# Altium PCB DataDriven_PCB.PcbDoc (part 2 of 3)
Units mil, origin at the board's own origin, x right, y up, seen from the top; angles counter-clockwise.
Board outline 5198.03 x 4870.08 mil, 4 copper layers (Top, GND, PWR, Bottom), stack 59.694 mil thick; 132 components, 92 nets, 564 pads, 527 vias.
Unrouted connection lines stored in the file: 5.
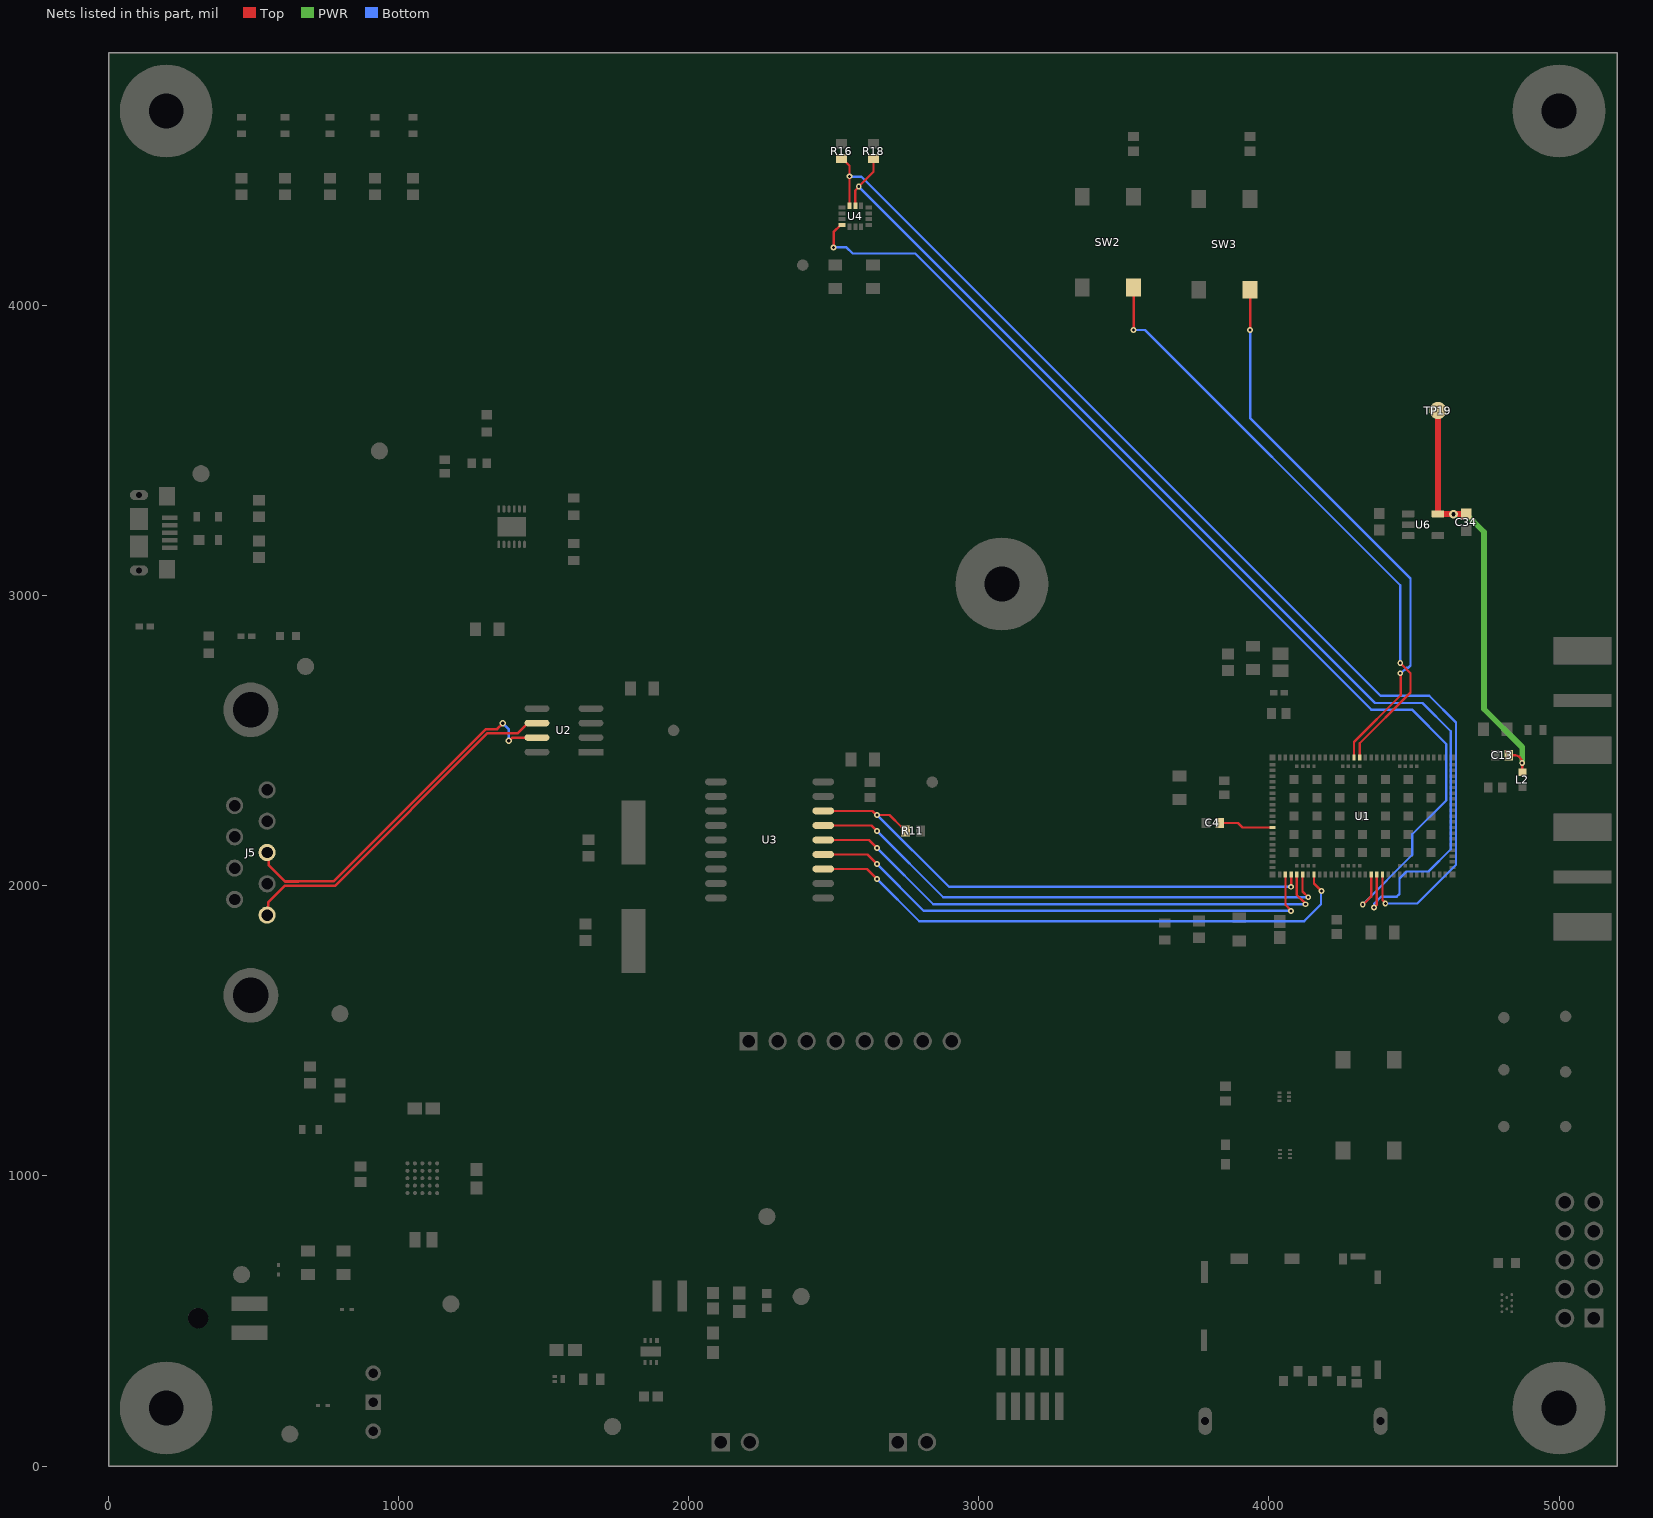
[diagram p4: the nets of this part, all layers, seen from the top]

## Part data (continued)
C38: library part CMP-2006-03061-2, "CAP CER 0.1UF 50V X7R 0603", Capacitance="0.10 μF", Manufacturer=KEMET, Manufacturer Part Number=C0603C104K5RACTU, Package=C0603C-CF, Temperature="-55°C to +125°C", Temperature Characteristic=X7R, Temperature Coefficient=30ppm/°C, Temperature Range High=+125°C, Temperature Range Low=-55°C, Tolerance=0.1, Voltage Rating="50 V", Automotive=Yes, Automotive Grade="Grade 1", Category=Cap, ComponentLink2Description=Datasheet, ComponentLink2URL=https://api.kemet.com/component-edge/download/datasheet/C0603C100J5GACAUTO.pdf, Device Class L1="Passive Components", Device Class L2=Capacitors, Device Class L3="Ceramic Capacitors", Digikey Description="CAP CER 0.1UF 50V X7R 0603", Height=0.87mm, Lead Free=Yes, Material=Ceramic, Octopart=https://octopart.com/c0603c104k5ractu-kemet-139244, RoHS=TRUE
C42 C43: library part CMP-2006-02672-1, "47 pF ±5% 50V Ceramic Capacitor C0G, NP0 0603 (1608 Metric)", Manufacturer=Murata, Manufacturer Part Number=GRM1885C1H470JA01D, Part Number=GRM1885C1H470JA01D
D1 D2 D3: "20V schottky barrier diode, Vf 350 mV @ 100 mA, Ir 2.0 µA @ 10 V, If 500 mA", Manufacturer="ON Semiconductor", Part number IPS=00000009952, Part number Norautron=N.A., Supplier Part Number 1=NSR0620P2T5GOSCT-ND, Artikkelnr Noca=10029169, Author=rsk, Component Class=Semiconductors, ComponentLink1Description=Datasheet, ComponentLink1URL=N.A., ComponentLink2Description="Supplier link", ComponentLink2URL=N.A., Footprint Doc=SOD-923, HelpURL=http://www.onsemi.com/pub_link/Collateral/NSR0620P2-D.PDF, LatestRevisionDate=2016-07-07, Manufacturer Part Number=NSR0620P2T5G, Note=N.A., Pad Count=2, Part Number=NSR0620P2T5G, PartId=101300131, Published=2016-07-07, Supplier 1=Digi-Key, Supplier 2=N.A., Supplier Part Number 2=N.A.
D5: "EMI Network Filter Arrays SIM CARD EMI FILTER WITH ESD PROTECTION", Manufacturer="ON Semiconductor", Manufacturer Part Number=CM1402-03CP, Part number IPS=00000009949, Part number Norautron=N.A., Supplier Part Number 1=CM1402-03CPOSTR-ND, Artikkelnr Noca=N.A., Author=rsk, Component Class=Semiconductors, ComponentLink1Description=Datasheet, ComponentLink1URL=N.A., ComponentLink2Description="Supplier link", ComponentLink2URL=N.A., Footprint Doc=CM1402, HelpURL=http://www.onsemi.com/pub_link/Collateral/CM1402-D.PDF, LatestRevisionDate=2017-02-06, Note=N.A., Pad Count=10, Part Number=CM1402, PartId=101300139, Published=2017-02-06, Supplier 1=Digi-Key, Supplier 2=Mouser, Supplier Part Number 2=748-CM1402-03CP
D6: "Ultra low capacitance double rail-to-rail ESD protection diode", Manufacturer="NXP Semiconductors", Part number IPS=00000009951, Part number Norautron=N.A., Supplier Part Number 1=568-4140-1-ND, Artikkelnr Noca=10069015, Author=rsk, Component Class=Semiconductors, ComponentLink1Description=Datasheet, ComponentLink1URL=N.A., ComponentLink2Description="Supplier link", ComponentLink2URL=N.A., Footprint Doc=SOT-143B, HelpURL=http://www.farnell.com/datasheets/109718.pdf, LatestRevisionDate=2017-11-09, Manufacturer Part Number=PRTR5V0U2X, Note=N.A., Pad Count=4, Part Number=PRTR5V0U2X, PartId=101300082, Published=2012-06-11, Supplier 1=Digi-Key, Supplier 2=Farnell, Supplier Part Number 2=152-4157
DS1 DS2 DS3 DS4 DS5 DS6: library part CMP-1666-00027-1, "LED, RED, 2.1 V, -40 to 100 degC, 2-Pin SMD (0603), RoHS, Tape and Reel", Capacitance="12 pF", Case Code (Imperial)=0603, Case Code (Metric)=1608, Manufacturer=Vishay, Manufacturer Part Number=TLMS1100-GS08, Max Operating Temperature=125degC, Min Operating Temperature=-55degC, Package Quantity=4000, Resistance="100000000000 Ohm", Tolerance=5%, Type (Capacitors)=C0G, Voltage Rating="50 V", Case/Package=0603, ComponentLink1Description="Manufacturer URL", ComponentLink1URL=http://www.vishay.com/, ComponentLink2Description=Datasheet, ComponentLink2URL=http://www.vishay.com/docs/83173/tlmb1100.pdf, DatasheetVersion="Rev. 2.7, 03/2016", Height="0.8 mm", Length="1.6 mm", Mount="Surface Mount", PackageDescription="2-Pin Surface Mount Device, Body 1.6 x 0.8 mm", PackageReference=TLMX1100, Packaging="Tape and Reel", Part Number=TLMS1100-GS08, Pins=2, Radiation Hardening=No, REACH SVHC="No SVHC", RoHSCompliant=True, Voltage Rating (DC)="50 V", Width="0.8 mm"
FB1: library part FB0402-120R@100M-700mA, "Ferrite Bead, 120 Ohm @ 100MHz, 700mA, 130 mOhm Max", Manufacturer=Murata, Manufacturer Part Number=BLM15AX121SN1, Part number IPS=00000004487, Part number Norautron=N.A., Supplier Part Number 1=490-5439-1-ND, Artikkelnr Noca=N.A., Author=rsk, Component Class=Inductors, ComponentLink1Description=Datasheet, ComponentLink1URL=https://www.murata.com/en-us/products/productdata/8796740059166/ENFA0018.pdf, ComponentLink2Description="Supplier link", ComponentLink2URL=N.A., Footprint Doc=0402, HelpURL=https://www.murata.com/products/productdetail?partno=BLM15AX121SN1%23, LatestRevisionDate=2020-04-28, Note=N.A., Pad Count=2, Part Number=FB0402-120R@100M-700mA, PartId=100300100, Published=2020-04-28, Supplier 1=Digi-Key, Supplier 2=N.A., Supplier Part Number 2=N.A.
FB2 FB3: library part FB0402-120R@100M-500mA, "Ferrite Bead, 120 Ohm @ 100MHz, 500mA, 250 mOhm Max", Manufacturer=Murata, Manufacturer Part Number=BLM15AG121SN1D, Part number IPS=00000009954, Part number Norautron=N.A., Supplier Part Number 1=490-1005-1-ND, Artikkelnr Noca=33029317, Author=rsk, Component Class=Inductors, ComponentLink1Description=Datasheet, ComponentLink1URL=N.A., ComponentLink2Description="Supplier link", ComponentLink2URL=N.A., Footprint Doc=0402, HelpURL=http://search.murata.co.jp/Ceramy/image/img/PDF/ENG/L0110S0100BLM15A_SN.pdf, LatestRevisionDate=2014-01-10, Note="Chip EMIFIL Inductor Type Chip Ferrite Bead", Pad Count=2, Part Number=FB0402-120R@100M-500mA, PartId=100300099, Published=2011-11-14, Supplier 1=Digi-Key, Supplier 2=Farnell, Supplier Part Number 2=151-5760
J1 J2: "SMA Connector Jack, Female Socket 50Ohm Board Edge, End Launch Solder Tab", Manufacturer="Cinch Connectivity Solutions Johnson", Manufacturer Part Number=142-0701-851, Part Number=142-0701-851
J3: "7 _6 + 1_ Position Card Connector Micro SIM Surface Mount, Right Angle Gold", Manufacturer="TE Connectivity AMP Connectors", Manufacturer Part Number=2822541, Package=None, Digi-Key_Part_Number=A141365CT-ND, Digi-Key_Purchase_URL=https://www.digikey.vn/product-detail/en/te-connectivity-amp-connectors/2822541-1/A141365CT-ND/9564398?utm_source=snapeda&utm_medium=aggregator&utm_campaign=symbol, MF="TE Connectivity", MP=2822541-1, Part Number=2822541, SnapEDA_Link=https://www.snapeda.com/parts/2822541-1/TE%20Connectivity%20AMP%20Connectors/view-part/2624949/?ref=snap, TE_purchase_URL=https://www.te.com/usa-en/product-2822541-1.html?te_bu=Cor&te_type=disp&te_campaign=seda_glo_cor-seda-global-disp-prtnr-fy19-seda-model-bom-cta_sma-317_1&elqCampaignId=32493
J4: library part USB-Micro-B-RA-SMD-PiP, "USB - micro B USB 2.0 Receptacle Connector 5 Position Surface Mount, Right Angle; Through Hole", Manufacturer="Amphenol ICC (FCI)", Part number IPS=00000007790, Part number Norautron=N.A., Supplier Part Number 1=AJU55-BS2111-L, Artikkelnr Noca=55029020, Author=rsk, Component Class=Connectors, ComponentLink1Description=Datasheet, ComponentLink1URL=N.A., ComponentLink2Description="Supplier link", ComponentLink2URL=N.A., Footprint Doc=10118193-0001LF, HelpURL="\\hizz\pro\app9717\Datasheet\connectors\Allen Creations Corp\AJU-211.pdf", LatestRevisionDate=2016-04-21, Manufacturer Part Number=10118193-0001LF, Note=N.A., Pad Count=5, Part Number=10118193-0001LF, PartId=100500490, Published=2014-10-07, Supplier 1=Cabcon, Supplier 2=Digi-Key, Supplier Part Number 2=609-4616-1-ND
J5: "D-Sub Standard Connectors 9P RA PIN SOLDER SHELL SIZE E", Manufacturer="Amphenol FCI", Mouser Part Number=649-D09P33E4PA00LF, Datasheet Link=https://www.mouser.com/datasheet/2/18/amphenol_amphs14020-1-1733466.pdf, Height=12.93mm, Manufacturer Part Number=D09P33E4PA00LF, Manufacturer_Name="Amphenol FCI", Manufacturer_Part_Number=D09P33E4PA00LF, Mouser Price/Stock=https://www.mouser.co.uk/ProductDetail/Amphenol-Commercial-Products/G17C0910132EU?qs=1VVaZAL47g1wqtt9KNnEiQ%3D%3D, Part Number=D09P33E4PA00LF
L1: library part CMP-06042-014327-1, "Wire Wound RF Inductor 9.1nH ±0.5nH 650mA 0.11Ω 0603 (1608)", Case Code (Imperial)=0603, Case Code (Metric)=1608, Current=140mA, Current Rating=650mA, DC Resistance (DCR)=110mR, Inductance=9.1nH, Manufacturer=Murata, Max Operating Temperature=125°C, Min Operating Temperature=-55°C, Package Quantity=4000, Part Number=EMPCB.SMAFSTJ.B.HT, Resistor Type=Wirewound, Self Resonant Frequency=6GHz, Test Frequency=100MHz, Tolerance=5%, Case/Package=0603, Core Material=Non-Magnetic, DC Current=650mA, Depth=1mm, Height=0.8mm, Height - Seated (Max)=0.039inch, Lead Free="Lead Free", Length=1.6mm, Manufacturer Part Number=DNS, Max DC Current=650mA, Military Standard=Not, Mount="Surface Mount", Packaging="Tape and Reel", Q Factor=35, Radiation Hardening=No, Series Resistance=110mR, Shielding=Unshielded, Termination=SMD/SMT, Weight=0.000106oz, Width=0.031inch
L2: library part CMP-06042-006563-1, "Multilayer type RF Inductor 68nH ±5% 0.8Ω 400mA 0603", Case Code (Imperial)=0603, Case Code (Metric)=1608, Current Rating=300mA, DC Resistance (DCR)=800mR, Inductance Tolerance=5%, Manufacturer=Murata, Manufacturer Part Number=LQG18HN68NJ00D, Max Operating Temperature=85°C, Min Operating Temperature=-55°C, Package Quantity=4000, Self Resonant Frequency=1GHz, Test Frequency=100MHz, Case/Package=0603, Core Material=Air, DC Current=300mA, Depth=0.95mm, Height=0.031inch, Inductance=68nH, Lead Free="Lead Free", Length=0.063inch, Max DC Current=300mA, Military Standard=Not, Mount="Surface Mount", Number of Pins=2, Packaging="Tape and Reel", Part Number=LQG18HN68NJ00D, Q Factor=12, Radiation Hardening=No, REACH SVHC="No SVHC", Shielding=Unshielded, Termination=SMD/SMT, Tolerance=5%, Width=0.8mm
L7: library part NR3015-4µ7-1.04A-144mOhm, "Ferrite Inductor, Shielded, 1,04A, 144mOhm", Manufacturer="Taiyo Yuden", Manufacturer Part Number=NR3015T4R7M, Part number IPS=00000009960, Part number Norautron=N.A., Supplier Part Number 1=81-LQM18FN4R7M00D, Artikkelnr Noca=33029551, Author=rsk, Component Class=Inductors, ComponentLink1Description=Datasheet, ComponentLink1URL=N.A., ComponentLink2Description="Supplier link", ComponentLink2URL=N.A., Footprint Doc=1212, HelpURL=http://www.yuden.co.jp/ut/product/category/inductor/NR3015T4R7M.pdf, LatestRevisionDate=2014-01-22, Note=N.A., Pad Count=2, Part Number=NR3015-4µ7-1.04A-144mOhm, PartId=100300145, Published=2014-01-22, Supplier 1=Mouser
MT1 MT2 MT3 MT4 MT5: "4-40 Mounting Hole"
P1: library part CMP-1502-01084-1, "THT Vertical Pin Header WR-PHD, Pitch 2.54 mm, Dual Row, 10 pins", Contact Resistance=20mOhm, Manufacturer="Wurth Elektronik", Operating Temperature=-40to105degC, Rated Current=3A, Withstanding Voltage=500VAC, Working Voltage=250VAC, Datasheet URL=https://katalog.we-online.de/em/datasheet/6130xx21121.pdf, Gender=Male, Manufacturer Part Number=61301021121, Manufacturer URL=http://www.we-online.de, Mounting Technology=THT, Orientation=Vertical, Package Reference=61301021121, Packaging=Bag, Part Number=61301021121, Pin Number=10, Pitch=2.54mm, Publisher=WurthElektronik, Row Number=Dual
P2: library part "Pin List Ang 1x2 SMD, 2.54mm", "Pin List 1x2, 2.54mm (100mil), Right Angled, SMD", Manufacturer=W-CON, Manufacturer Part Number=1125B-1102S0Z135R2, Part number IPS=00000009972, Part number Norautron=N.A., Artikkelnr Noca=55010023, Author=rsk, Component Class=Connectors, ComponentLink1Description=Datasheet, ComponentLink1URL=N.A., ComponentLink2Description="Supplier link", ComponentLink2URL=N.A., Footprint Doc=LIST_ANG_1x2-SMD-2.54MM, HelpURL=\\hizz\pro\app9717\Datasheet\connectors\W-CON\1125B-11XXXXZXXXXX.pdf, LatestRevisionDate=2016-05-26, Note=N.A., Pad Count=2, Part Number="Pin List Ang 1x2 SMD, 2.54mm", PartId=100500354, Published=2016-01-22, Supplier 1=Cabcon, Supplier 2=Samtec, Supplier Part Number 1=1125B-1102S0Z135R2, Supplier Part Number 2=TSM-102-01-L-SH-A
P3: library part "Pin Header 2x5 SMD, 1.27mm, KS", "Pin Header 2x5, 1.27mm (50mil), SMD, Keying Shroud", Manufacturer=Samtec, Part number IPS=00000009968, Part number Norautron=N.A., Supplier Part Number 1=3132-10MS0BK00R1, Artikkelnr Noca=55010009, Author=rsk, Component Class=Connectors, ComponentLink1Description=Datasheet, ComponentLink1URL=N.A., ComponentLink2Description="Supplier link", ComponentLink2URL=N.A., Footprint Doc=HDR_2x5-SMD-1.27mm, HelpURL=\\hizz\pro\app9717\Datasheet\connectors\W-CON\3132-XXMXXBK00XX.pdf, LatestRevisionDate=2016-04-21, Manufacturer Part Number=FTSH-105-01-F-DV-K, Note=N.A., Pad Count=10, Part Number="Pin Header 2x5 SMD, 1.27mm, KS", PartId=100500261, Published=2016-01-22, Supplier 1=Cabcon, Supplier 2=Samtec, Supplier Part Number 2=FTSH-105-01-F-DV-K
P4: library part CMP-1502-01076-1, "THT Vertical Pin Header WR-PHD, Pitch 2.54 mm, Single Row, 8 pins", Contact Resistance=20mOhm, Manufacturer="Wurth Elektronik", Operating Temperature=-40to105degC, Rated Current=3A, Withstanding Voltage=500VAC, Working Voltage=250VAC, Datasheet URL=https://katalog.we-online.de/em/datasheet/6130xx11121.pdf, Gender=Male, Manufacturer Part Number=61300811121, Manufacturer URL=http://www.we-online.de, Mounting Technology=THT, Orientation=Vertical, Package Reference=61300811121, Packaging=Bag, Part Number=61300811121, Pin Number=8, Pitch=2.54mm, Publisher=WurthElektronik, Row Number=Single
P5 P6: library part CMP-1712-00002-4, "THT Vertical Pin Header WR-PHD, Pitch 2.54 mm, Single Row, 2 pins", Contact Resistance=20mOhm, Manufacturer="Wurth Elektronik", Operating Temperature=-40to105degC, Rated Current=3A, Withstanding Voltage=500VAC, Working Voltage=250VAC, Datasheet URL=https://katalog.we-online.de/em/datasheet/6130xx11121.pdf, Gender=Male, Manufacturer Part Number=61300211121, Manufacturer URL=http://www.we-online.de, Mounting Technology=THT, Orientation=Vertical, Package Reference=61300211121, Packaging=Bag, Part Number=61300211121, Pin Number=2, Pitch=2.54mm, Publisher=WurthElektronik, Row Number=Single
Q1 Q2: library part DMC2990UDJ-7, "MOSFET, Dual N and P-Channel, 20V, 450mA/310mA, 990mOhm, 350mW", Manufacturer="Diodes Incorporated", Part number IPS=00000004489, Part number Norautron=N.A., Supplier Part Number 1=DMC2990UDJ-7DICT-ND, Artikkelnr Noca=N.A., Author=rsk, Component Class=Semiconductors, ComponentLink1Description=Datasheet, ComponentLink1URL=https://www.diodes.com/assets/Datasheets/DMC2990UDJ.pdf, ComponentLink2Description="Supplier link", ComponentLink2URL=N.A., Footprint Doc=SOT-963, HelpURL=N.A., LatestRevisionDate=2020-04-28, Manufacturer Part Number=DMC2990UDJ-7, Note=N.A., Pad Count=6, Part Number=DMC2990UDJ-7, PartId=101300174, Published=2020-02-21, Supplier 1=Digi-Key, Supplier 2=N.A., Supplier Part Number 2=N.A.
Q3: "N-Channel MOSFET, 20V, 1A, 470mOhm, 400mW", Manufacturer="Rohm Semiconductor", Part number IPS=00000009976, Part number Norautron=N.A., Supplier Part Number 1=RV2C010UNT2LCT-ND, Artikkelnr Noca=35010020, Author=rsk, Component Class=Semiconductors, ComponentLink1Description=Datasheet, ComponentLink1URL=N.A., ComponentLink2Description="Supplier link", ComponentLink2URL=N.A., Footprint Doc=DFN-3, HelpURL=http://rohmfs.rohm.com/en/products/databook/datasheet/discrete/transistor/mosfet/rv2c010unt2l-e.pdf, LatestRevisionDate=2016-08-09, Manufacturer Part Number=RV2C010UNT2L, Note=N.A., Pad Count=3, Part Number=RV2C010UNT2L, PartId=101300132, Published=2016-08-09, Supplier 1=Digi-Key, Supplier 2=Mouser, Supplier Part Number 2=755-RV2C010UNT2L
R1 R17 R20: library part CMP-2100-03667-1, "Chip Resistor, 0 Ohm, +/- 5%, 0.1 W, -55 to 155 degC, 0603 (1608 Metric), RoHS, Tape and Reel", Case Code (Imperial)=0603, Case Code (Metric)=1608, Manufacturer=Yageo, Manufacturer Part Number=RC0603JR-070RL, Max Operating Temperature=155degC, Min Operating Temperature=-55degC, Package Description="2-Pin Surface Mount Device, Body 1.6 x 0.8 mm", Package Quantity=5000, Power Rating=100mW, Resistance=0mOhm, Temperature Coefficient=200ppm/degreesC, Tolerance=5%, Voltage Rating=50V, Case/Package=0603, Composition=ThickFilm, Contact Plating=Tin, Datasheet URL=http://www.yageo.com/NewPortal/yageodocoutput?fileName=/pdf/R-Chip/PYu-RC_Group_51_RoHS_L_5.pdf, Datasheet Version="Rev. 5, 10/2016", Depth=0.8mm, Height=0.45mm, Lead Free=LeadFree, Length=1.6mm, Manufacturer URL=http://www.yageo.com/, Military Standard=Not, Number of Pins=2, Package Reference=0603, Packaging=TapeandReel, Part Number=RC0603JR-070RL, Radiation Hardening=No, REACH SVHC=NoSVHC, RoHSCompliant=true, Termination=SMD/SMT, Voltage Rating (DC)=50V, Width=0.8mm
R2 R4 R6 R7 R8: library part CMP-2000-00620-1, "68 Ohms ±1% 0.1W, 1/10W Chip Resistor 0603 (1608 Metric) Automotive AEC-Q200 Thick Film", Manufacturer=Panasonic, Manufacturer Part Number=ERJ-3EKF68R0V, Part Number=ERJ-3EKF68R0V
R3 R11 R13 R14 R16 R18 R19: library part CMP-1666-00005-4, "Chip Resistor, 10 KOhm, +/- 1%, 100 mW, -55 to 155 degC, 0603 (1608 Metric), RoHS, Tape and Reel", Manufacturer="Vishay Semiconductor", Manufacturer Part Number=CRCW060310K0FKEA, Max Operating Temperature="155 degC", Min Operating Temperature="-55 degC", Package Quantity=5000, Voltage Rating="75 V", ComponentLink1Description="Manufacturer URL", ComponentLink1URL=http://www.vishay.com/, ComponentLink2Description=Datasheet, ComponentLink2URL=https://datasheet.ciiva.com/11809/0900766b80d98afc-11809037.pdf, DatasheetVersion=06/2012, Height="0.45 mm", Length="1.55 mm", Mounting Technology="Surface Mount", PackageDescription="2-Pin Surface Mount Device, Body 1.575 x 0.85 mm", PackageReference=0603, Packaging="Tape and Reel", Part Number=CRCW060310K0FKEA, REACH SVHC=Unknown, RoHSCompliant=true
R5: library part CMP-2000-00873-2, "RES SMD 1K OHM 0.1% 1/10W 0603", Case Code (Imperial)=0603, Case Code (Metric)=1608, Manufacturer=Panasonic, Manufacturer Part Number=ERA-3AEB102V, Max Operating Temperature=155°C, Max Power Dissipation=100mW, Min Operating Temperature=-55°C, Package Quantity=5000, Resistance=1kR, Resistance Tolerance=0.1%, Resistor Type="Thin Film", Temperature Coefficient=25ppm/°C, Voltage Rating=75V, Case/Package=0603, Construction=Rectangular, Contact Plating=Tin, Depth=0.8mm, Height=0.45mm, Length=1.6mm, Military Standard=Not, Mount="Surface Mount", Number of Pins=2, Number of Terminations=2, Packaging="Tape and Reel", Part Number=ERA-3AEB102V, Power Rating=100mW, Radiation Hardening=No, REACH SVHC="No SVHC", RoHS Compliant=Yes, Series=ERA-3A, Size Code=0603, Technology="METAL FILM", Termination=SMD/SMT, Tolerance=0.1%, Width=0.8mm
R9: library part CMP-2100-03662-2, "RES SMD 100K OHM 1% 1/10W 0603", Case Code (Imperial)=0603, Case Code (Metric)=1608, Manufacturer=Yaego, Max Operating Temperature=155°C, Max Power Dissipation=100mW, Min Operating Temperature=-55°C, Resistance=100kR, Resistance Tolerance=1%, Resistor Type="Thick Film", Temperature Coefficient=100ppm/°C, Voltage Rating=50V, Working Voltage=75V, Case/Package=0603, Construction=Rectangular, Depth=0.8mm, Features="Moisture Resistant", Height=0.45mm, Lead Free="Lead Free", Length=1.6mm, Manufacturer Part Number=RC0603FR-07100KL, Military Standard=Not, Number of Pins=2, Number of Terminations=2, Packaging="Tape and Reel", Part Number=RC0603FR-07100KL, Power Rating=100mW, REACH SVHC="No SVHC", RoHS Compliant=Yes, Series=RC, Technology="THICK FILM", Termination=SMD/SMT, Tolerance=1%, Voltage Rating (DC)=50V, Width=0.8mm
R10: library part CMP-1666-00005-4, "Chip Resistor, 10 KOhm, +/- 1%, 100 mW, -55 to 155 degC, 0603 (1608 Metric), RoHS, Tape and Reel", Case Code (Imperial)=0603, Case Code (Metric)=1608, Manufacturer="Vishay Semiconductor", Manufacturer Part Number=CRCW060310K0FKEA, Max Operating Temperature="155 degC", Max Power Dissipation=100mW, Min Operating Temperature="-55 degC", Package Quantity=5000, Resistance Tolerance=1%, Resistor Type="Thick Film", Supplier Part Number 1=61M5335, Temperature Coefficient=100ppm/°C, Voltage Rating="75 V", Voltage Rating (DC)=75V, Case/Package=0603, Category="Chip SMD Resistors", ComponentLink1Description="Manufacturer URL", ComponentLink1URL=http://www.vishay.com/, ComponentLink2Description=Datasheet, ComponentLink2URL=https://datasheet.ciiva.com/11809/0900766b80d98afc-11809037.pdf, ComponentLink3Description=https://datasheet.ciiva.com/11809/0900766b80d98afc-11809037.pdf?src-supplier=Rs, ComponentLink3URL=https://datasheet.ciiva.com/11809/0900766b80d98afc-11809037.pdf?src-supplier=Rs, ComponentLink4Description=https://datasheet.ciiva.com/26314/fld-crcw-e3-data-en-26314749.pdf?src-supplier=Distrelec, ComponentLink4URL=https://datasheet.ciiva.com/26314/fld-crcw-e3-data-en-26314749.pdf?src-supplier=Distrelec, ComponentLink5Description=https://datasheet.ciiva.com/46385/1697337-46385498.pdf?src-supplier=Element14, ComponentLink5URL=https://datasheet.ciiva.com/46385/1697337-46385498.pdf?src-supplier=Element14, ComponentLink6Description=https://datasheet.ciiva.com/2465/dcrcwe3-2465514.pdf?src-supplier=Digi-Key, ComponentLink6URL=https://datasheet.ciiva.com/2465/dcrcwe3-2465514.pdf?src-supplier=Digi-Key, ComponentLink7Description=https://datasheet.ciiva.com/2465/dcrcwe3-2465515.pdf?src-supplier=Digi-Key, ComponentLink7URL=https://datasheet.ciiva.com/2465/dcrcwe3-2465515.pdf?src-supplier=Digi-Key, ComponentLink8Description=https://datasheet.ciiva.com/2465/dcrcwe3-2465513.pdf?src-supplier=Digi-Key, ComponentLink8URL=https://datasheet.ciiva.com/2465/dcrcwe3-2465513.pdf?src-supplier=Digi-Key, ComponentLink9Description=https://datasheet.ciiva.com/16719/70201119-16719704.pdf?src-supplier=Allied+Electronics, ComponentLink9URL=https://datasheet.ciiva.com/16719/70201119-16719704.pdf?src-supplier=Allied+Electronics, ComponentLink10Description=https://datasheet.ciiva.com/16754/70201119-16754710.pdf?src-supplier=Allied+Electronics, ComponentLink10URL=https://datasheet.ciiva.com/16754/70201119-16754710.pdf?src-supplier=Allied+Electronics, ComponentLink11Description=https://datasheet.ciiva.com/5543/dcrcwe3-109170-5543001.pdf?src-supplier=Mouser, ComponentLink11URL=https://datasheet.ciiva.com/5543/dcrcwe3-109170-5543001.pdf?src-supplier=Mouser, ComponentLink12Description=https://datasheet.ciiva.com/3256/dcrcwe3-3256940.pdf?src-supplier=Avnet, ComponentLink12URL=https://datasheet.ciiva.com/3256/dcrcwe3-3256940.pdf?src-supplier=Avnet, ComponentLink13Description=https://datasheet.ciiva.com/16209/dcrcwe3-16209164.pdf?src-supplier=Future+Electronics, ComponentLink13URL=https://datasheet.ciiva.com/16209/dcrcwe3-16209164.pdf?src-supplier=Future+Electronics, ComponentLink14Description=https://datasheet.ciiva.com/26821/getdatasheetpartid-86831-26821109.pdf?src-supplier=Verical, ComponentLink14URL=https://datasheet.ciiva.com/26821/getdatasheetpartid-86831-26821109.pdf?src-supplier=Verical, ComponentLink15Description=https://datasheet.ciiva.com/3256/dcrcwe3-3256939.pdf?src-supplier=Avnet, ComponentLink15URL=https://datasheet.ciiva.com/3256/dcrcwe3-3256939.pdf?src-supplier=Avnet, Construction=Rectangular, Contact Plating=Tin, DatasheetVersion=06/2012, Depth=0.85mm, Features="Automotive AEC-Q200", Height="0.45 mm", Lead Free="Lead Free", Length="1.55 mm", Military Standard=Not, Mounting Technology="Surface Mount", Number of Terminations=2, PackageDescription="2-Pin Surface Mount Device, Body 1.575 x 0.85 mm", PackageReference=0603, Packaging="Tape and Reel", Part Number=CRCW060310K0FKEA, Pins=2, Power Rating=100mW, Pricing 3="1=0.10000, 10=0.03800, 100=0.01560, 1000=0.00701, 2500=0.00608 (USD)", Radiation Hardening=No, REACH SVHC=Unknown, RoHS=Yes, RoHS Compliant=Yes, RoHSCompliant=true, Series=CRCW, Supplier 1=Newark, Supplier 2="Future Electronics", Supplier 3=Digi-Key, Supplier Part Number 2=8926099, Supplier Part Number 3=541-10.0KHDKR-ND, Technology="THICK FILM", Termination=SMD/SMT, Tolerance=1%, Weight=7.1E-05oz, Width=0.033inch
R12: library part CMP-1666-00005-4, "Chip Resistor, 10 KOhm, +/- 1%, 100 mW, -55 to 155 degC, 0603 (1608 Metric), RoHS, Tape and Reel", Manufacturer="Vishay Semiconductor", Manufacturer Part Number=Vishay, Max Operating Temperature="155 degC", Min Operating Temperature="-55 degC", Package Quantity=5000, Part Number=CRCW060310K0FKEA, Voltage Rating="75 V", ComponentLink1Description="Manufacturer URL", ComponentLink1URL=http://www.vishay.com/, ComponentLink2Description=Datasheet, ComponentLink2URL=https://datasheet.ciiva.com/11809/0900766b80d98afc-11809037.pdf, DatasheetVersion=06/2012, Height="0.45 mm", Length="1.55 mm", Mounting Technology="Surface Mount", PackageDescription="2-Pin Surface Mount Device, Body 1.575 x 0.85 mm", PackageReference=0603, Packaging="Tape and Reel", REACH SVHC=Unknown, Resistance=CRCW060310K0FKEA, RoHSCompliant=true
R15: library part CMP-2000-00620-1, Manufacturer=Panasonic, Manufacturer Part Number=ERJ-3EKF68R0V, Part Number=ERJ3EKF68R0V
R21: library part CMP-2000-03129-2, "RES Thick Film, 25.5kΩ, 1%, 0.1W, 100ppm/°C, 0603", Case Code (Imperial)=0603, Case Code (Metric)=1608, Manufacturer=Vishay, Manufacturer Part Number=CRCW060325K5FKEA, Max Operating Temperature=155°C, Max Power Dissipation=100mW, Min Operating Temperature=-55°C, Package Quantity=10, Resistance=25.5kR, Temperature Coefficient=100ppm/°C, Tolerance=1%, Voltage Rating=75V, Case/Package=0603, Composition="Thick Film", Contact Plating=Tin, Depth=0.85mm, Features="Automotive AEC-Q200", Height=0.45mm, Lead Free="Lead Free", Length=1.55mm, Military Standard=Not, Number of Pins=2, Number of Terminations=2, Packaging="Tape and Reel", Part Number=CRCW060325K5FKEA, Power Rating=100mW, Radiation Hardening=No, Termination=SMD/SMT, Voltage Rating (DC)=75V, Weight=7.1E-05oz, Width=0.033inch, Working Voltage=75V
R22: library part CMP-1012-00723-2, "76.8 kOhms ±1% 0.1W, 1/10W Chip Resistor 0603 (1608 Metric) Automotive AEC-Q200 Thick Film", Manufacturer="Vishay Dale", Manufacturer Part Number=CRCW060376K8FKEA, Part Number=CRCW060376K8FKEA
R23: library part CMP-26527-003301-1, "10MΩ ±5% 0.1W 0603 Thick Film Chip Resistor AEC-Q200 compliant", Case Code (Imperial)=0603, Case Code (Metric)=1608, Manufacturer="Stackpole Electronics", Manufacturer Part Number=RMCF0603JT10M0, Max Operating Temperature=155°C, Max Power Dissipation=100mW, Min Operating Temperature=-55°C, Resistance=10MR, Resistor Type="Thick Film", Temperature Coefficient=200ppm/°C, Tolerance=5%, Case/Package=0603, Construction=Rectangular, Contact Plating=Tin, Depth=0.8mm, Features="Automotive AEC-Q200", Height=0.022inch, Lead Free="Lead Free", Length=0.061inch, Military Standard=Not, Mount="Surface Mount", Number of Terminations=2, Packaging="Tape and Reel", Part Number=RMCF0603JT10M0, Power Rating=100mW, Radiation Hardening=No, RoHS Compliant=Yes, Series=RMCF, Size Code=0603, Width=0.031inch
R24: library part CMP-1666-00003-5, "RES Thick Film, 1kΩ, 1%, 0.1W, 100ppm/°C, 0603", Case Code (Imperial)=0603, Case Code (Metric)=1608, Manufacturer="Vishay Dale", Manufacturer Part Number=CRCW06031K00FKEA, Max Operating Temperature=155°C, Max Power Dissipation=100mW, Min Operating Temperature=-55°C, Package Quantity=10, Resistance=1kR, Temperature Coefficient=100ppm/°C, Tolerance=1%, Voltage Rating=75V, Case/Package=0603, Composition="Thick Film", Contact Plating=Tin, Depth=0.85mm, Features="Automotive AEC-Q200", Height=0.45mm, Lead Free="Lead Free", Length=1.55mm, Military Standard=Not, Mount="Surface Mount", Number of Pins=2, Number of Terminations=2, Packaging="Tape and Reel", Part Number=CRCW06031K00FKEA, Power Rating=100mW, Radiation Hardening=No, Termination=SMD/SMT, Voltage Rating (DC)=75V, Weight=7.1E-05oz, Width=0.033inch
R25: library part CMP-2000-03237-2, "RES Thick Film, 330kΩ, 1%, 0.1W, 100ppm/°C, 0603", Case Code (Imperial)=0603, Case Code (Metric)=1608, Manufacturer=Vishay, Manufacturer Part Number=CRCW0603330KFKEA, Max Operating Temperature=155°C, Max Power Dissipation=100mW, Min Operating Temperature=-55°C, Package Quantity=10, Resistance=330kR, Temperature Coefficient=100ppm/°C, Tolerance=1%, Voltage Rating=75V, Case/Package=0603, Composition="Thick Film", Contact Plating=Tin, Depth=0.85mm, Features="Automotive AEC-Q200", Height=0.45mm, Lead Free="Lead Free", Length=1.55mm, Military Standard=Not, Mount="Surface Mount", Number of Pins=2, Number of Terminations=2, Packaging="Tape and Reel", Part Number=CRCW0603330KFKEA, Power Rating=100mW, Radiation Hardening=No, Termination=SMD/SMT, Voltage Rating (DC)=75V, Weight=7.1E-05oz, Width=0.85mm, Working Voltage=75V
R26: library part CMP-2000-00216-2, "Chip Resistor, 120 KOhm, +/- 1%, 0.1 W, -55 to 155 degC, 0603 (1608 Metric), RoHS, Tape and Reel", Case Code (Imperial)=0603, Case Code (Metric)=1608, Manufacturer=Panasonic, Manufacturer Part Number=ERJ-3EKF1203V, Max Operating Temperature=155degC, Max Power Dissipation=100mW, Min Operating Temperature=-55degC, Package Description="2-Pin Surface Mount Device, Body 1.6 x 0.85 mm", Package Quantity=1, Resistance=120KOhm, Temperature Coefficient=100ppm/degC, Tolerance=1%, Voltage Rating=75V, Case/Package=0603, Composition=ThickFilm, Contact Plating=Tin, Datasheet URL=https://industrial.panasonic.com/cdbs/www-data/pdf/RDA0000/AOA0000C283.pdf, Datasheet Version=42095.0, Depth=0.8mm, Height=0.022inch, Lead Free=LeadFree, Length=1.6mm, Manufacturer URL=http://www.panasonic.com/, Military Standard=Not, Mount=SurfaceMount, Number of Pins=2, Number of Terminations=2, Package Reference=0603, Package URL=http://www.st.com/st-web-ui/static/active/en/resource/technical/document/datasheet/CD00001320.pdf, Packaging=TapeandReel, Part Number=ERJ-3EKF1203V, Power Rating=100mW, Radiation Hardening=No, REACH SVHC=NoSVHC, RoHSCompliant=True, Termination=SMD/SMT, Voltage Rating (DC)=75V, Width=0.8mm
R27: library part CMP-1012-00623-3, "Chip Resistor, 10 KOhm, +/- 1%, 0.1 W, -55 to 155 degC, 0603 (1608 Metric), RoHS, Tape and Reel", Case Code (Imperial)=0603, Case Code (Metric)=1608, Manufacturer=Panasonic, Manufacturer Part Number=ERJ-3EKF1002V, Max Operating Temperature=155degC, Max Power Dissipation=100mW, Min Operating Temperature=-55degC, Package Description="2-Pin Surface Mount Device, Body 1.6 x 0.85 mm", Package Quantity=1, Package Reference=603, Resistance=10KOhm, Temperature Coefficient=100ppm\/degreesC, Tolerance=1%, Voltage Rating=75V, Case\/Package=0603, Composition=ThickFilm, Contact Plating=Tin, Datasheet URL=https://industrial.panasonic.com/cdbs/www-data/pdf/RDA0000/AOA0000C304.pdf, Datasheet Version=02/2017, Depth=0.8mm, Height=0.45mm, Lead Free=LeadFree, Length=1.6mm, Manufacturer URL=http://www.panasonic.com/, Military Standard=Not, Mount=SurfaceMount, Mounting Technology=SurfaceMount, Number of Pins=2, Number of Terminations=2, Packaging=TapeandReel, Part Number=ERJ-3EKF1002V, Power Rating=100mW, Radiation Hardening=No, REACH SVHC=NoSVHC, RoHSCompliant=true, Termination=SMD/SMT, Voltage Rating (DC)=75V, Width=0.031inch
SW1 SW2 SW3: library part CMP-2000-05160-2, "SWITCH TACTILE SPST-NO 0.05A 12V", Case/Package=SMD/SMT, Color=Black, Contact Resistance=100mR, Current Rating=50mA, Manufacturer="ITT C&K", Manufacturer Part Number=PTS645SM43SMTR92LFS, Max Operating Temperature=60°C, Max Voltage Rating (DC)=12V, Min Operating Temperature=-20°C, Operating Force=160gf, Package Quantity=1, Actuator Length=0.85mm, Actuator Material=Nylon, Actuator Type=Standard, Contact Material=Silver, Contact Plating=Silver, Depth=9mm, Illumination Type=Non-Illuminated, Lead Free="Lead Free", Length=6mm, Max Current Rating=50mA, Mechanical Life=100000Cycles, Mount="Surface Mount", Orientation=Straight, Packaging="Tape and Reel", Part Number=PTS645SM43SMTR92LFS, REACH SVHC="No SVHC", Switch Function=Off-Mom, Termination="Gull Wing", Throw Configuration=SPST, Voltage Rating (DC)=12V
SW4: library part CMP-2000-05100-1, "PCB Switch, SPDT, 12 V, 500 mA, 6 W, -40 to 85 degC, 3-Pin THD, RoHS, Tape and Reel", Contact Current Rating=500mA@24V, Manufacturer=EOZ, Manufacturer Part Number="EAO 09.03201.02", Maximum Operating Temperature=+85degC, Minimum Operating Temperature=-40degC, Operating Temperature Range=-40→+85degC, Package Style=SIP, Actuator Type=Slide, Contact Configuration=SPST, Contact Material=GoldoverNickelPlated, Datasheet URL=http://www.farnell.com/datasheets/1683364.pdf, Datasheet Version=Apr-10, Manufacturer URL=http://eozonline.com/, Mechanical Life=10000Operations, Mounting Type=ThroughHole, Number of Positions=2, Part Number="EAO 09.03201.02"
TP1 TP2 TP3 TP4 TP5 TP6 TP9 TP10 TP11: library part TP_SMD_Ø1.0MM, "1.0mm circular SMD testpad", Manufacturer="Nordic Semiconductor", Manufacturer Part Number=NRF9160-SICA-B1A-R, Part number IPS=N.A., Artikkelnr Noca=N.A., Author=rsk, Component Class=Connectors, ComponentLink1Description=Datasheet, ComponentLink1URL=N.A., ComponentLink2Description="Supplier link", ComponentLink2URL=N.A., Footprint Doc=TP_SMD_Ø1.0mm, HelpURL=N.A., LatestRevisionDate=2021-03-05, Note=N.A., Pad Count=1, Part Number=TP_SMD_Ø1.0MM, Part number Norautron=N.A., PartId=100500475, Published=2013-06-11, Supplier 1=N.A., Supplier 2=N.A., Supplier Part Number 1=N.A., Supplier Part Number 2=N.A.
TP7 TP8 TP12 TP13 TP14 TP15 TP16 TP18 TP19 TP20 TP21: library part TP_SMD_Ø1.5MM, "1.5mm circular SMD testpad", Manufacturer="Nordic Semiconductor", Manufacturer Part Number=NRF9160-SICA-B1A-R, Part number IPS=N.A., Artikkelnr Noca=N.A., Author=rsk, Component Class=Connectors, ComponentLink1Description=Datasheet, ComponentLink1URL=N.A., ComponentLink2Description="Supplier link", ComponentLink2URL=N.A., Footprint Doc=TP_SMD_Ø1.5mm, HelpURL=N.A., LatestRevisionDate=2021-03-05, Note=N.A., Pad Count=1, Part Number=TP_SMD_Ø1.5MM, Part number Norautron=N.A., PartId=100500477, Published=2016-06-02, Supplier 1=N.A., Supplier 2=N.A., Supplier Part Number 1=N.A., Supplier Part Number 2=N.A.
U1: "Low power System-in-Package with integrated LTE-M/NB-IoT modem and GPS", Manufacturer="Nordic Semiconductor", Part number IPS=80000002329, Part number Norautron=N.A., Artikkelnr Noca=N.A., Author=rsk, Component Class=nRF_Devices, ComponentLink1Description=Datasheet, ComponentLink1URL=N.A., ComponentLink2Description="Supplier link", ComponentLink2URL=N.A., Footprint Doc=LGA-161, HelpURL=N.A., LatestRevisionDate=2020-08-13, Manufacturer Part Number=nRF9160-SICAB1A, Note=N.A., Pad Count=161, Part Number=nRF9160-SICAB1A, PartId=102000165, Published=2020-08-13, Supplier 1="Nordic Semiconductor", Supplier 2=N.A., Supplier Part Number 1=nRF9160-SICAB1A, Supplier Part Number 2=N.A.
U2: library part CMP-04872-000104-1, "IC TRANSCEIVER 1/1 8SOIC", Case/Package=SOIC, Manufacturer="Texas Instruments", Max Operating Temperature=125°C, Min Operating Temperature=-40°C, Data Rate=1Mbps, Lead Free="Lead Free", Manufacturer Part Number=TCAN330DR, Mount="Surface Mount", Number of Pins=8, Packaging="Cut Tape", Part Number=TCAN330DR, RoHS Compliant=Yes
U3: library part CMP-0186-00133-3, "IC CAN CONTROLLER W/SPI 18SOIC", Ambient Temperature Range High=+125°C, Ambient Temperature Range Low=-65°C, Manufacturer=Microchip, Max Supply Voltage=5.5V, Min Supply Voltage=2.7V, Nominal Supply Current=10mA, Package=C04-051, Temperature="-40°C to +85°C", Temperature Range High=+85°C, Temperature Range Low=-40°C, Automotive=No, Category=IC, ComponentLink2Description=Datasheet, ComponentLink2URL=http://ww1.microchip.com/downloads/en/DeviceDoc/MCP2515-Stand-Alone-CAN-Controller-with-SPI-20001801J.pdf, Device Class L1="Integrated Circuits (ICs)", Device Class L2="Interface ICs", Device Class L3=Controllers, Digikey Description="IC CAN CONTROLLER W/SPI 18SOIC", Footprint Url=http://ww1.microchip.com/downloads/en/DeviceDoc/18L_SOIC_Wide_7.50_SO_C04-0051D.pdf, Function=Controller, Height=2.65mm, Interface=SPI,CAN, Ipc Land Pattern Name=SOIC127P1030X265-18, Lead Free=Yes, Manufacturer Part Number=MCP2515-I/SO, Mouser Description="CAN Interface IC W/ SPI Interface", Octopart=https://octopart.com/mcp2515-i%2Fso-microchip-430187, Part Number=MCP2515-I/SO, RoHS=TRUE, Standoff Height=0.1mm
U4: library part CMP-2000-07467-2, "IMU ACCEL/GYRO I2C/SPI 14LGA", Manufacturer=STMicroelectronics, Max Supply Voltage=3.6V, Min Supply Voltage=1.62V, Operating Supply Current=0.29-0.65mA, Package=LGA-14L-DM00249496, Temperature="-40°C to +85°C", Temperature Range High=+85°C, Temperature Range Low=-40°C, Accel Range=2/4/8/16g, Automotive=No, Category=IC, ComponentLink2Description=Datasheet, ComponentLink2URL=https://www.st.com/resource/en/datasheet/lsm6dsl.pdf, Device Class L1=Sensors, Device Class L2="Motion Sensors", Device Class L3="Inertial Measurement Units (IMUs)", Digikey Description="IMU ACCEL/GYRO I2C/SPI 14LGA", Footprint Url=https://www.st.com/resource/en/technical_note/cd00134799.pdf, Gyro Range=125/250/500/1000/2000°/s, Height=0.86mm, Lead Free=Yes, Manufacturer Part Number=LSM6DSLTR, Mouser Description="iNEMO inertial module: always-on 3D accelerometer and 3D gyroscope", Octopart=https://octopart.com/lsm6dsltr-stmicroelectronics-66358193, Part Number=LSM6DSLTR, Resolution=16bits, RoHS=TRUE, Sensor Output=I2C,SPI, Sensor Type=Temperature,Accelerometer,Gyroscope
U6: library part CMP-04917-000347-1, "IC REG LINEAR 3.3V 300MA SOT23-5", Manufacturer="Texas Instruments", Manufacturer Part Number=TLV73333PQDBVRQ1, Part Number=TLV73333PQDBVRQ1, RoHS Compliant=Yes
U7: library part XC9236F08CER-G, "600mA Driver Transistor Built-In, Synchronous Step-Down DC/DC Converters", Manufacturer="Torex Semiconductor", Part number IPS=00000009989, Part number Norautron=N.A., Supplier Part Number 1=865-XC9236F08CER-G, Artikkelnr Noca=N.A., Author=rsk, Component Class=Misc_ICs, ComponentLink1Description=Datasheet, ComponentLink1URL=N.A., ComponentLink2Description="Supplier link", ComponentLink2URL=N.A., Footprint Doc=USP-6C, HelpURL=http://www.torexsemi.com/products/dcdc_converters/data/XC9235~37.pdf, LatestRevisionDate=2017-11-15, Manufacturer Part Number=XC9236F08CER-G, Note=N.A., Pad Count=6, Part Number=XC9236F08CER-G, PartId=101900206, Published=2016-08-08, Supplier 1=Mouser, Supplier 2=N.A., Supplier Part Number 2=N.A.
U8: library part CMP-0248-00027-3, "IC USB SERIAL BASIC UART 12DFN", Case/Package=DFN, Manufacturer=FTDI, Max Operating Temperature=85°C, Max Supply Voltage=5.5V, Min Operating Temperature=-40°C, Min Supply Voltage=2.97V, Operating Supply Current=8mA, Operating Supply Voltage=5V, Package Quantity=5000, Data Rate=3Mbps, Height=0.75mm, Interface=UART, Lead Free="Lead Free", Length=3mm, Manufacturer Part Number=FT234XD-R, Mount="Surface Mount", Number of Pins=12, Number of Ports=1, Number of Transceivers=1, Packaging="Tape and Reel", Part Number=FT234XD-R, REACH SVHC="No SVHC", Width=3mm
U9: library part CMP-09139-000733-1, "IC REG BUCK ADJ 1.2A 25BGA", Manufacturer="Analog Devices Inc.", Manufacturer Part Number=LTM8074IY#PBF
Y1: library part CMP-27762-009874-1, "CRYSTAL 8.0000MHZ 18PF SMD", Case/Package=SMD/SMT, ESR (Equivalent Series Resistance)=80R, Frequency=8MHz, Frequency Stability=50ppm, Frequency Tolerance=20ppm, Load Capacitance=18pF, Manufacturer="Abracon LLC", Max Operating Temperature=70°C, Min Operating Temperature=-20°C, Operating Frequency="8 MHz", Package Quantity=1000, Accuracy=20ppm, Contact Plating=Tin, Depth=4.7mm, Height=0.165inch, Lead Free="Lead Free", Length=11.4mm, Manufacturer Part Number=ABLS-8.000MHZ-B2-T, Mount="Surface Mount", Number of Pins=2, Packaging="Tape and Reel", Part Number=ABLS-8.000MHZ-B2-T, Radiation Hardening=No, REACH SVHC="No SVHC", Series=ABLS, Series Resistance=80R, Termination=SMD/SMT, Tolerance=20ppm, Width=4.7mm

## Via types
v1: diameter 20, hole 10, Top to Bottom, tented both sides, 465 vias
v2: diameter 22, hole 12, Top to Bottom, tented both sides, 51 vias
v3: diameter 30, hole 15, Top to Bottom, tented both sides, 11 vias

## Nets (pads, with @x,y where several pads share a name; then routed paths per layer and width w, separated by ;. In a path a pad name is that pad's centre, name@x,y a point inside that pad or via, vN(x,y) a via of type N, cw(c..) or ccw(c..) an arc to the next point about the centre after c; other vN are vias at no path point)
3V3: C13.2 C34.1 L2.2 TP19.1 U6.5 | length 1529.2
  Top w8: C13.2@4824.36,2452.89 C13.2@4827.24,2450 4845.78,2450 cw(c4845.78,2422.8) v1(4872.98,2422.8) 4872.98,2392.76 L2.2@4874.01,2391.73
  Top w20: TP19.1@4582.68,3637.8 U6.5@4582.68,3281.5 v3@4632.64,3281.5 ; v3(4636.17,3280.1) 4637.23,3281.16 C34.1@4680.86,3281.16
  PWR w20: v3(4636.17,3280.1) 4637.44,3278.83 4681.17,3278.83 4741.21,3218.79 4741.21,2609.18 4872.98,2477.41 v1(4872.98,2422.8)
ACC_INT: U1.38 U4.4 | length 3700.1
  Top w8: v1(2500,4200) 2500,4252.95 2524.61,4277.56 U4.4@2529.04,4277.56 ; v1(4323.62,1935.83) 4325.22,1935.83 4338.85,1949.46 4339.22,1949.46 4352.36,1962.6 U1.38@4352.36,2038.58
  Bottom w8: v1(2500,4200) 2544.7,4200 2565.85,4178.85 2781.13,4178.85 4352.99,2607 4493,2607 4611.17,2488.83 4611.17,2294.31 4494.51,2177.66 4494.51,2106.72 v1(4323.62,1935.83)
ACC_SCL: R18.1 U1.39 U4.13 | length 3923.3
  Top w8: U4.13@2574.8,4343.01 2574.84,4343.05 2574.84,4396.08 2586.61,4407.85 v1(2586.61,4409.45) 2637.8,4460.63 R18.1@2637.8,4505.91 ; v1(4362.2,1925.2) 4372.05,1935.04 4372.05,1944.49 4371.97,1944.57 4371.97,1960.94 4372.05,1961.02 U1.39@4372.05,2038.58
  Bottom w8: v1@2582.56,4413.51 4366.06,2630 4529.97,2630 4627.17,2532.79 4627.17,2125.89 4550.44,2049.16 4474.16,2049.16 4450,2025 4450,1971.93 4440.65,1962.58 4387.58,1962.58 4363.76,1938.76 4363.76,1926.75 v1(4362.2,1925.2)
ACC_SDA: R16.1 U1.40 U4.14 | length 3939.2
  Top w8: R16.1@2527.56,4505.91 2530.51,4505.91 2555.12,4481.3 v1(2555.12,4444.88) 2555.12,4392.8 2555.11,4372.05 U4.14@2555.12,4343.01 ; U1.40@4391.73,2038.58 4391.73,1950.99 4401.37,1941.35 v1(4401.37,1938.59)
  Bottom w8: v1(2555.12,4444.88) 2556.25,4443.75 2596.25,4443.75 4385,2655 4552.97,2655 4645.07,2562.9 4645.07,2072.37 4511.29,1938.59 v1(4401.37,1938.59)
BTN1: SW2.3 U1.88 | length 2110.8
  Top w8: v1(3533.94,3915.2) SW2.3@3533.94,4061.85 ; U1.88@4312.99,2441.73 4312.99,2491.21 4488.19,2666.41 4488.19,2732.28 v1(4452.76,2767.72)
  Bottom w8: v1(3533.94,3915.2) 3572.99,3915.2 4452.76,3035.43 v1(4452.76,2767.72)
BTN2: SW3.3 U1.89 | length 1928.4
  Top w8: v1(3935.51,3915.2) SW3.3@3935.51,4053.98 ; U1.89@4293.31,2441.73 4293.31,2495.3 4454.71,2656.7 4454.71,2730.33 v1(4452.76,2732.28)
  Bottom w8: v1(3935.51,3915.2) 3935.51,3611.75 4488.19,3059.07 4488.19,2759.45 4479.68,2750.94 4474.17,2750.94 4455.52,2732.28 v1(4452.76,2732.28)
CAN_CS: R11.2 U1.24 U3.16 | length 1885.9
  Top w8: U3.16@2464.57,2257.87 2634.23,2257.87 2648.01,2244.09 v1(2649.61,2244.09) 2692.91,2244.09 2735.24,2201.77 2738.19,2201.77 2748.03,2191.93 R11.2@2748.03,2188.98 ; v1(4076.77,1996.27) U1.24@4076.77,2038.58
  Bottom w8: v1(2649.61,2244.09) 2897.43,1996.27 v1(4076.77,1996.27)
CAN_INT: U1.28 U3.12 | length 1927.6
  Top w8: U3.12@2464.57,2057.87 2615.35,2057.87 v1(2649.61,2023.62) ; U1.28@4155.51,2038.58 4155.51,2007.66 v1(4181.28,1981.88)
  Bottom w8: v1(2649.61,2023.62) 2795.3,1877.93 4121.51,1877.93 4179.93,1936.35 4179.93,1980.54 v1(4181.28,1981.88)
CAN_MISO: U1.26 U3.15 | length 1860.2
  Top w8: U3.15@2464.57,2207.87 2630.71,2207.87 v1(2649.61,2188.98) ; U1.26@4116.14,2038.58 4116.14,1980.04 v1(4135.83,1960.35)
  Bottom w8: v1(2649.61,2188.98) 2878.23,1960.35 v1(4135.83,1960.35)
CAN_MOSI: U1.25 U3.14 | length 1867.6
  Top w8: U3.14@2464.57,2157.87 2621.65,2157.87 v1(2649.61,2129.92) ; U1.25@4096.46,2038.58 4096.46,1968.23 4125.98,1938.7 v1(4125.98,1936.37)
  Bottom w8: v1(2649.61,2129.92) 2843.16,1936.37 v1(4125.98,1936.37)
CAN_N: J5.5 U2.6 | length 1227.6
  Top w9: J5.5@547.72,1898.82 551.35,1902.45 551.35,1941.85 610,2000.5 654.5,2000.5 655,2000 781.17,2000 1307.17,2526 1412.14,2526 1446.57,2560.43 U2.6@1477.81,2560.43
CAN_P: J5.3 U2.7 | length 1272.2
  Top w9: J5.3@547.72,2114.57 552.96,2109.32 552.96,2071.54 610,2014.5 654.5,2014.5 655,2015 776.37,2015 1301.37,2540 1340,2540 v2(1360,2560) ; v2(1380,2500) 1383.52,2500 1393.95,2510.43 U2.7@1477.81,2510.43
  Bottom w9: v2(1360,2560) 1380,2540 v2(1380,2500)
CAN_SCK: U1.23 U3.13 | length 1826.1
  Top w8: U3.13@2464.57,2107.87 2616.54,2107.87 v1(2649.61,2074.8) ; U1.23@4057.09,2038.58 4057.09,1934.32 4076.77,1914.63 v1(4076.77,1913.39)
  Bottom w8: v1(2649.61,2074.8) 2811.02,1913.39 v1(4076.77,1913.39)
DEC0: C4.1 U1.13 | length 188.8
  Top w8: C4.1@3830.71,2216.54 3893.46,2216.54 3909.21,2200.79 U1.13@4012.99,2200.79